# KiCad board keyboar!.kicad_pcb
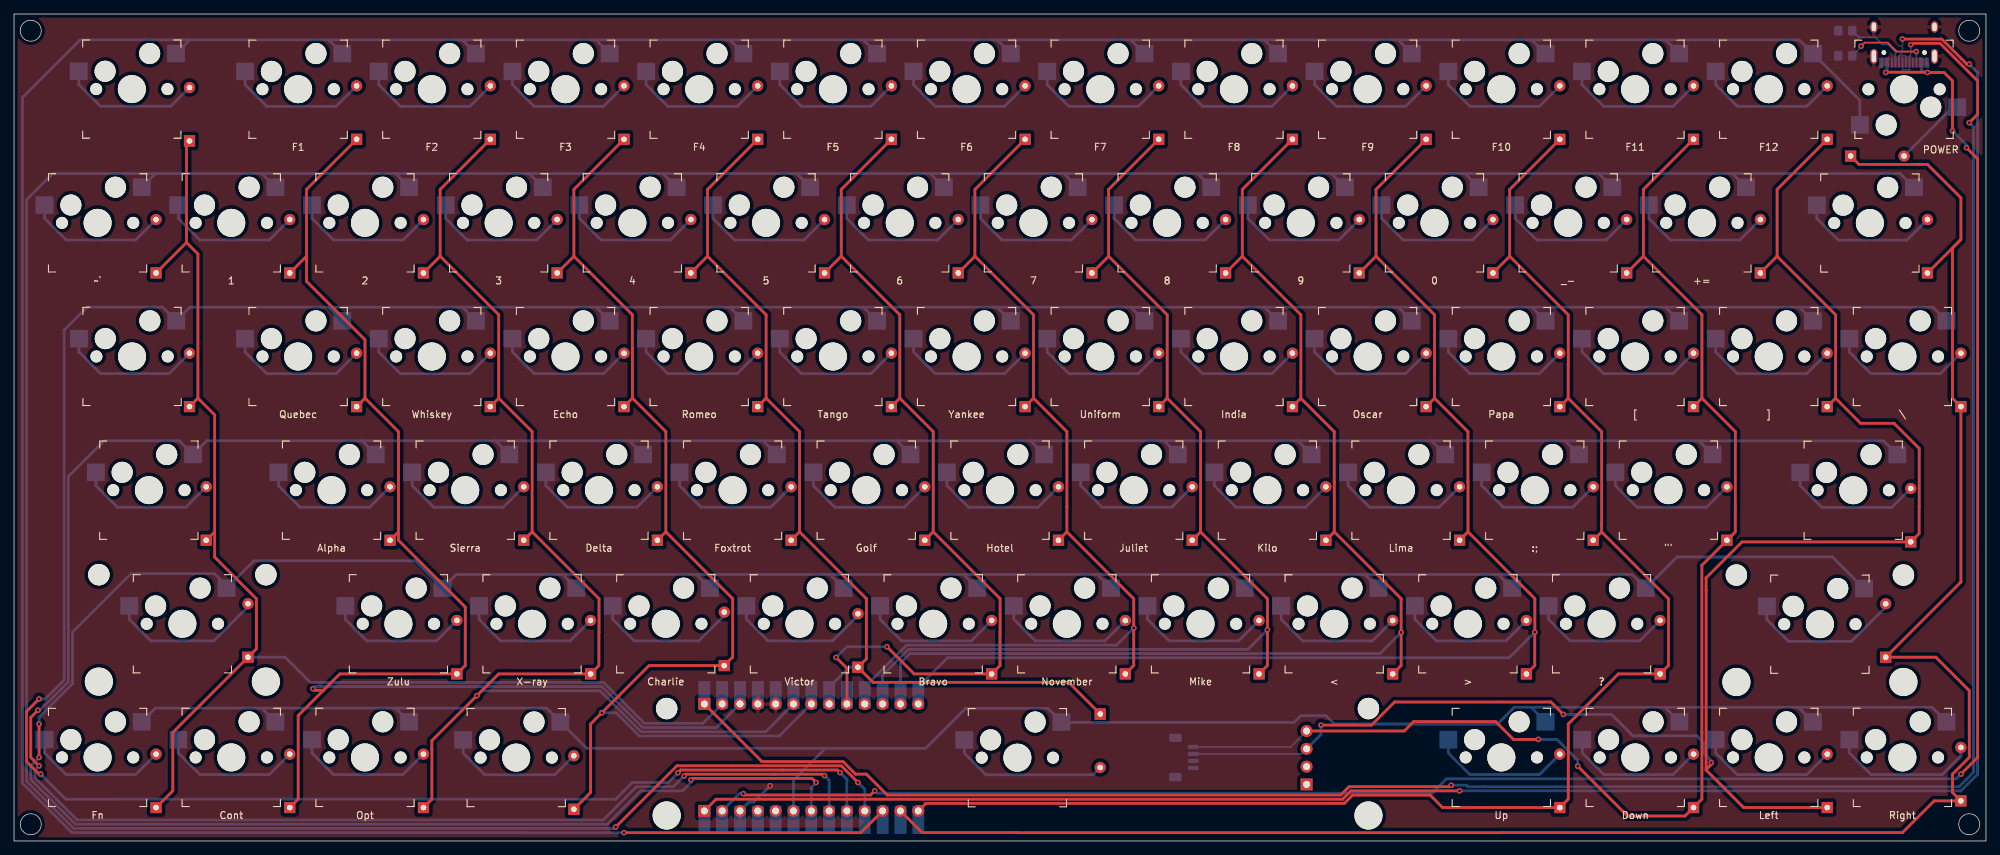
[diagram p0: board, top side]
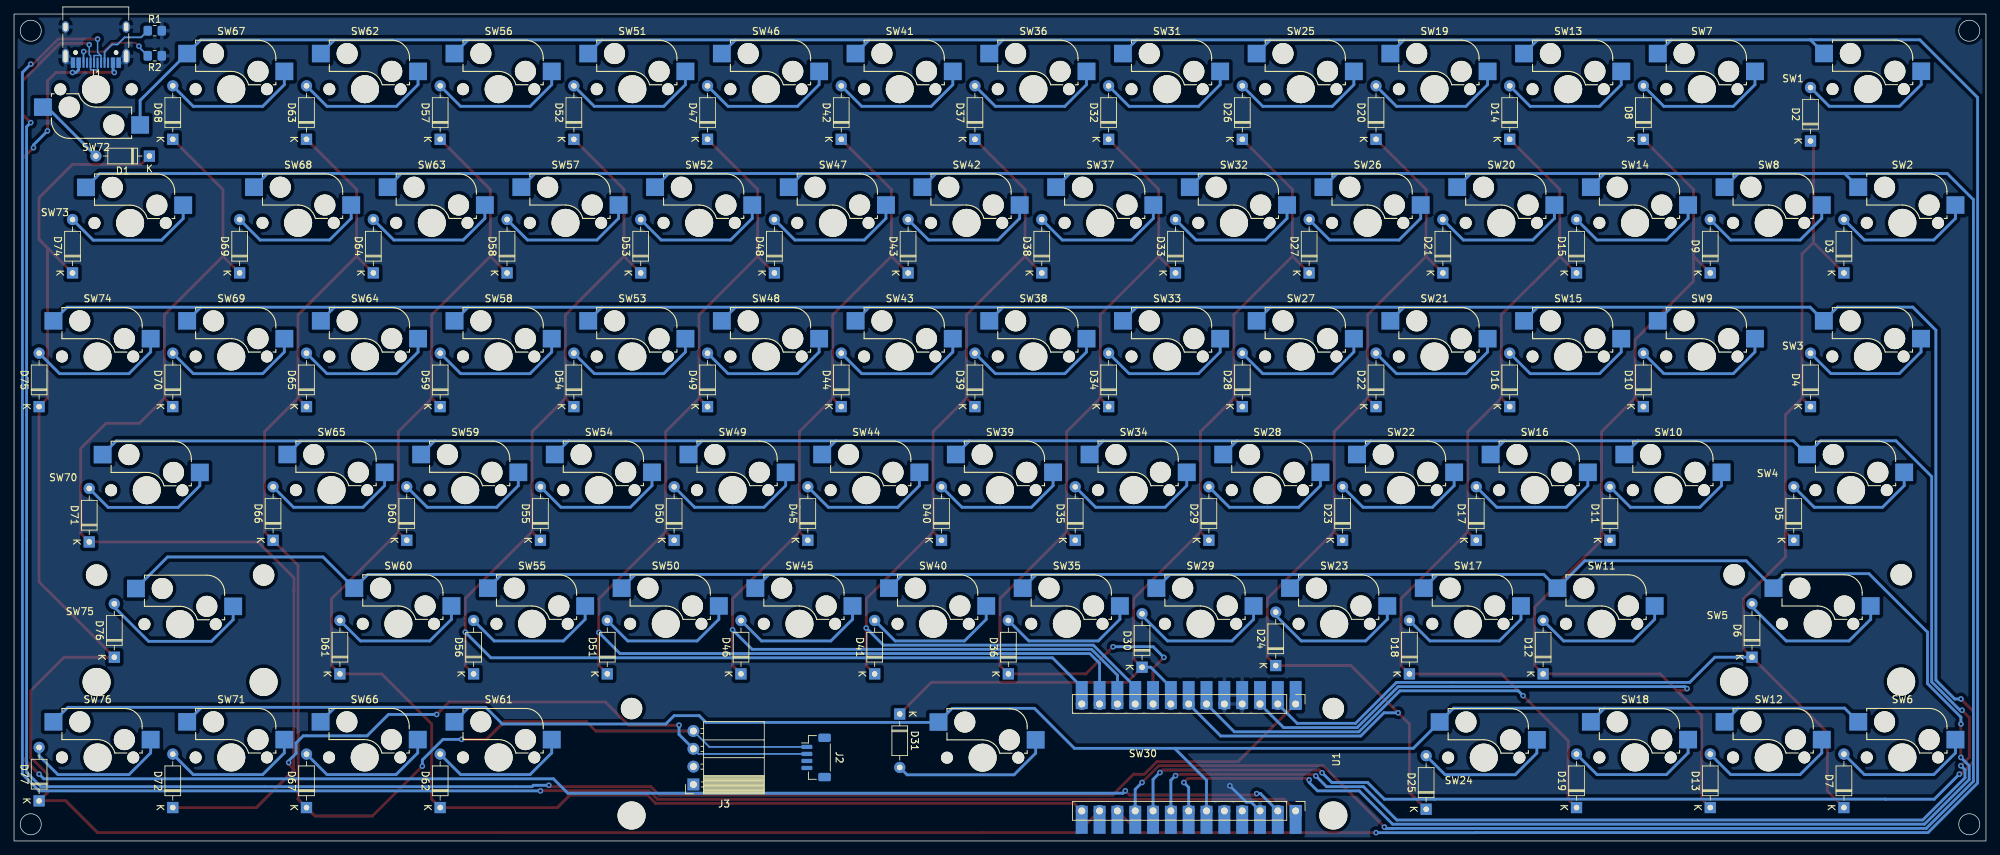
[diagram p1: board, bottom side, seen from below]

Outline 280.99 x 117.87 mm; copper layers: Top, Bottom. Coordinates in mm from the lower left corner of the outline.
Outline path: rectangle 0,117.87 280.99,0 ; circle c2.38,115.49 r1.5 ; circle c2.38,2.38 r1.5 ; circle c278.61,115.49 r1.5 ; circle c278.61,2.38 r1.5
Stack: Top 0.035mm / dielectric 1.51mm FR4 er 4.5 / Bottom 0.035mm

## Placement (name value [footprint] x y rotation side)
D1  1N4148  [D_DO-35_SOD27_P7.62mm_Horizontal]  261.7 97.63 0 bottom
D2  1N4148  [D_DO-35_SOD27_P7.62mm_Horizontal]  25 99.77 90 bottom
D3  1N4148  [D_DO-35_SOD27_P7.62mm_Horizontal]  20.24 80.96 90 bottom
D4  1N4148  [D_DO-35_SOD27_P7.62mm_Horizontal]  25 61.91 90 bottom
D5  1N4148  [D_DO-35_SOD27_P7.62mm_Horizontal]  27.38 42.86 90 bottom
D6  1N4148  [D_DO-35_SOD27_P7.62mm_Horizontal]  33.34 26.19 90 bottom
D7  1N4148  [D_DO-35_SOD27_P7.62mm_Horizontal]  20.24 4.76 90 bottom
D8  1N4148  [D_DO-35_SOD27_P7.62mm_Horizontal]  48.82 100.01 90 bottom
D9  1N4148  [D_DO-35_SOD27_P7.62mm_Horizontal]  39.29 80.96 90 bottom
D10  1N4148  [D_DO-35_SOD27_P7.62mm_Horizontal]  48.82 61.91 90 bottom
D11  1N4148  [D_DO-35_SOD27_P7.62mm_Horizontal]  53.58 42.86 90 bottom
D12  1N4148  [D_DO-35_SOD27_P7.62mm_Horizontal]  63.1 23.81 90 bottom
D13  1N4148  [D_DO-35_SOD27_P7.62mm_Horizontal]  39.29 4.76 90 bottom
D14  1N4148  [D_DO-35_SOD27_P7.62mm_Horizontal]  67.87 100.01 90 bottom
D15  1N4148  [D_DO-35_SOD27_P7.62mm_Horizontal]  58.34 80.96 90 bottom
D16  1N4148  [D_DO-35_SOD27_P7.62mm_Horizontal]  67.87 61.91 90 bottom
D17  1N4148  [D_DO-35_SOD27_P7.62mm_Horizontal]  72.63 42.86 90 bottom
D18  1N4148  [D_DO-35_SOD27_P7.62mm_Horizontal]  82.15 23.81 90 bottom
D19  1N4148  [D_DO-35_SOD27_P7.62mm_Horizontal]  58.34 4.76 90 bottom
D20  1N4148  [D_DO-35_SOD27_P7.62mm_Horizontal]  86.92 100.01 90 bottom
D21  1N4148  [D_DO-35_SOD27_P7.62mm_Horizontal]  77.39 80.96 90 bottom
D22  1N4148  [D_DO-35_SOD27_P7.62mm_Horizontal]  86.92 61.91 90 bottom
D23  1N4148  [D_DO-35_SOD27_P7.62mm_Horizontal]  91.68 42.86 90 bottom
D24  1N4148  [D_DO-35_SOD27_P7.62mm_Horizontal]  101.2 25 90 bottom
D25  1N4148  [D_DO-35_SOD27_P7.62mm_Horizontal]  79.77 4.52 90 bottom
D26  1N4148  [D_DO-35_SOD27_P7.62mm_Horizontal]  105.97 100.01 90 bottom
D27  1N4148  [D_DO-35_SOD27_P7.62mm_Horizontal]  96.44 80.96 90 bottom
D28  1N4148  [D_DO-35_SOD27_P7.62mm_Horizontal]  105.97 61.91 90 bottom
D29  1N4148  [D_DO-35_SOD27_P7.62mm_Horizontal]  110.73 42.86 90 bottom
D30  1N4148  [D_DO-35_SOD27_P7.62mm_Horizontal]  120.25 24.76 90 bottom
D31  1N4148  [D_DO-35_SOD27_P7.62mm_Horizontal]  154.78 18.1 270 bottom
D32  1N4148  [D_DO-35_SOD27_P7.62mm_Horizontal]  125.02 100.01 90 bottom
D33  1N4148  [D_DO-35_SOD27_P7.62mm_Horizontal]  115.49 80.96 90 bottom
D34  1N4148  [D_DO-35_SOD27_P7.62mm_Horizontal]  125.02 61.91 90 bottom
D35  1N4148  [D_DO-35_SOD27_P7.62mm_Horizontal]  129.78 42.86 90 bottom
D36  1N4148  [D_DO-35_SOD27_P7.62mm_Horizontal]  139.3 23.81 90 bottom
D37  1N4148  [D_DO-35_SOD27_P7.62mm_Horizontal]  144.07 100.01 90 bottom
D38  1N4148  [D_DO-35_SOD27_P7.62mm_Horizontal]  134.54 80.96 90 bottom
D39  1N4148  [D_DO-35_SOD27_P7.62mm_Horizontal]  144.07 61.91 90 bottom
D40  1N4148  [D_DO-35_SOD27_P7.62mm_Horizontal]  148.83 42.86 90 bottom
D41  1N4148  [D_DO-35_SOD27_P7.62mm_Horizontal]  158.35 23.81 90 bottom
D42  1N4148  [D_DO-35_SOD27_P7.62mm_Horizontal]  163.12 100.01 90 bottom
D43  1N4148  [D_DO-35_SOD27_P7.62mm_Horizontal]  153.59 80.96 90 bottom
D44  1N4148  [D_DO-35_SOD27_P7.62mm_Horizontal]  163.12 61.91 90 bottom
D45  1N4148  [D_DO-35_SOD27_P7.62mm_Horizontal]  167.88 42.86 90 bottom
D46  1N4148  [D_DO-35_SOD27_P7.62mm_Horizontal]  177.4 23.81 90 bottom
D47  1N4148  [D_DO-35_SOD27_P7.62mm_Horizontal]  182.17 100.01 90 bottom
D48  1N4148  [D_DO-35_SOD27_P7.62mm_Horizontal]  172.64 80.96 90 bottom
D49  1N4148  [D_DO-35_SOD27_P7.62mm_Horizontal]  182.17 61.91 90 bottom
D50  1N4148  [D_DO-35_SOD27_P7.62mm_Horizontal]  186.93 42.86 90 bottom
D51  1N4148  [D_DO-35_SOD27_P7.62mm_Horizontal]  196.45 23.81 90 bottom
D52  1N4148  [D_DO-35_SOD27_P7.62mm_Horizontal]  201.22 100.01 90 bottom
D53  1N4148  [D_DO-35_SOD27_P7.62mm_Horizontal]  191.69 80.96 90 bottom
D54  1N4148  [D_DO-35_SOD27_P7.62mm_Horizontal]  201.22 61.91 90 bottom
D55  1N4148  [D_DO-35_SOD27_P7.62mm_Horizontal]  205.98 42.86 90 bottom
D56  1N4148  [D_DO-35_SOD27_P7.62mm_Horizontal]  215.5 23.81 90 bottom
D57  1N4148  [D_DO-35_SOD27_P7.62mm_Horizontal]  220.27 100.01 90 bottom
D58  1N4148  [D_DO-35_SOD27_P7.62mm_Horizontal]  210.74 80.96 90 bottom
D59  1N4148  [D_DO-35_SOD27_P7.62mm_Horizontal]  220.27 61.91 90 bottom
D60  1N4148  [D_DO-35_SOD27_P7.62mm_Horizontal]  225.03 42.86 90 bottom
D61  1N4148  [D_DO-35_SOD27_P7.62mm_Horizontal]  234.55 23.81 90 bottom
D62  1N4148  [D_DO-35_SOD27_P7.62mm_Horizontal]  220.27 4.76 90 bottom
D63  1N4148  [D_DO-35_SOD27_P7.62mm_Horizontal]  239.32 100.01 90 bottom
D64  1N4148  [D_DO-35_SOD27_P7.62mm_Horizontal]  229.79 80.96 90 bottom
D65  1N4148  [D_DO-35_SOD27_P7.62mm_Horizontal]  239.32 61.91 90 bottom
D66  1N4148  [D_DO-35_SOD27_P7.62mm_Horizontal]  244.08 42.86 90 bottom
D67  1N4148  [D_DO-35_SOD27_P7.62mm_Horizontal]  239.32 4.76 90 bottom
D68  1N4148  [D_DO-35_SOD27_P7.62mm_Horizontal]  258.37 100.01 90 bottom
D69  1N4148  [D_DO-35_SOD27_P7.62mm_Horizontal]  248.84 80.96 90 bottom
D70  1N4148  [D_DO-35_SOD27_P7.62mm_Horizontal]  258.37 61.91 90 bottom
D71  1N4148  [D_DO-35_SOD27_P7.62mm_Horizontal]  270.27 42.62 90 bottom
D72  1N4148  [D_DO-35_SOD27_P7.62mm_Horizontal]  258.37 4.76 90 bottom
D74  1N4148  [D_DO-35_SOD27_P7.62mm_Horizontal]  272.65 80.96 90 bottom
D75  1N4148  [D_DO-35_SOD27_P7.62mm_Horizontal]  277.42 61.91 90 bottom
D76  1N4148  [D_DO-35_SOD27_P7.62mm_Horizontal]  266.7 26.19 90 bottom
D77  1N4148  [D_DO-35_SOD27_P7.62mm_Horizontal]  277.42 5.71 90 bottom
J1  USB_C_Receptacle_USB2.0  [USB_C_Receptacle_HRO_TYPE-C-31-M-12]  269.34 114.98 0 bottom
J2  JST SH  [JST_SH_BM04B-SRSS-TB_1x04-1MP_P1.00mm_Vertical]  166.69 11.91 270 bottom
J3  2.54mm  [PinSocket_1x04_P2.54mm_Horizontal]  184.18 8.06 0 bottom
R1  5.1K  [R_0805_2012Metric_Pad1.20x1.40mm_HandSolder]  260.94 115.49 180 bottom
R2  5.1K  [R_0805_2012Metric_Pad1.20x1.40mm_HandSolder]  260.94 111.92 0 bottom
SW1  ESC  [socket_1.5]  16.79 107.17 0 top
SW2  ~`  [Kailh_socket_MX]  11.91 88.11 0 top
SW3  TAB  [socket_1.5]  16.82 69.06 0 top
SW4  CAPS  [socket_1.75]  19.22 50.01 0 top
SW5  Shift  [socket_2.25]  23.99 30.96 0 top
SW6  Fn  [Kailh_socket_MX]  11.91 11.91 0 top
SW7  F1  [Kailh_socket_MX]  40.48 107.16 0 top
SW8  1  [Kailh_socket_MX]  30.96 88.11 0 top
SW9  Quebec  [Kailh_socket_MX]  40.48 69.06 0 top
SW10  Alpha  [Kailh_socket_MX]  45.24 50.01 0 top
SW11  Zulu  [Kailh_socket_MX]  54.77 30.96 0 top
SW12  Cont  [Kailh_socket_MX]  30.96 11.91 0 top
SW13  F2  [Kailh_socket_MX]  59.53 107.16 0 top
SW14  2  [Kailh_socket_MX]  50.01 88.11 0 top
SW15  Whiskey  [Kailh_socket_MX]  59.53 69.06 0 top
SW16  Sierra  [Kailh_socket_MX]  64.29 50.01 0 top
SW17  X-ray  [Kailh_socket_MX]  73.82 30.96 0 top
SW18  Opt  [Kailh_socket_MX]  50.01 11.91 0 top
SW19  F3  [Kailh_socket_MX]  78.58 107.16 0 top
SW20  3  [Kailh_socket_MX]  69.06 88.11 0 top
SW21  Echo  [Kailh_socket_MX]  78.58 69.06 0 top
SW22  Delta  [Kailh_socket_MX]  83.34 50.01 0 top
SW23  Charlie  [Kailh_socket_MX]  92.87 30.96 0 top
SW24  Command  [socket_1.25]  71.56 11.88 0 top
SW25  F4  [Kailh_socket_MX]  97.63 107.16 0 top
SW26  4  [Kailh_socket_MX]  88.11 88.11 0 top
SW27  Romeo  [Kailh_socket_MX]  97.63 69.06 0 top
SW28  Foxtrot  [Kailh_socket_MX]  102.39 50.01 0 top
SW29  Victor  [Kailh_socket_MX]  111.92 30.96 0 top
SW30  Space  [socket_space]  143 11.87 0 top
SW31  F5  [Kailh_socket_MX]  116.68 107.16 0 top
SW32  5  [Kailh_socket_MX]  107.16 88.11 0 top
SW33  Tango  [Kailh_socket_MX]  116.68 69.06 0 top
SW34  Golf  [Kailh_socket_MX]  121.44 50.01 0 top
SW35  Bravo  [Kailh_socket_MX]  130.97 30.96 0 top
SW36  F6  [Kailh_socket_MX]  135.73 107.16 0 top
SW37  6  [Kailh_socket_MX]  126.21 88.11 0 top
SW38  Yankee  [Kailh_socket_MX]  135.73 69.06 0 top
SW39  Hotel  [Kailh_socket_MX]  140.49 50.01 0 top
SW40  November  [Kailh_socket_MX]  150.02 30.96 0 top
SW41  F7  [Kailh_socket_MX]  154.78 107.16 0 top
SW42  7  [Kailh_socket_MX]  145.26 88.11 0 top
SW43  Uniform  [Kailh_socket_MX]  154.78 69.06 0 top
SW44  Juliet  [Kailh_socket_MX]  159.54 50.01 0 top
SW45  Mike  [Kailh_socket_MX]  169.07 30.96 0 top
SW46  F8  [Kailh_socket_MX]  173.83 107.16 0 top
SW47  8  [Kailh_socket_MX]  164.31 88.11 0 top
SW48  India  [Kailh_socket_MX]  173.83 69.06 0 top
SW49  Kilo  [Kailh_socket_MX]  178.59 50.01 0 top
SW50  <  [Kailh_socket_MX]  188.12 30.96 0 top
SW51  F9  [Kailh_socket_MX]  192.88 107.16 0 top
SW52  9  [Kailh_socket_MX]  183.36 88.11 0 top
SW53  Oscar  [Kailh_socket_MX]  192.88 69.06 0 top
SW54  Lima  [Kailh_socket_MX]  197.64 50.01 0 top
SW55  >  [Kailh_socket_MX]  207.17 30.96 0 top
SW56  F10  [Kailh_socket_MX]  211.93 107.16 0 top
SW57  0  [Kailh_socket_MX]  202.41 88.11 0 top
SW58  Papa  [Kailh_socket_MX]  211.93 69.06 0 top
SW59  :;  [Kailh_socket_MX]  216.69 50.01 0 top
SW60  ?  [Kailh_socket_MX]  226.22 30.96 0 top
SW61  Up  [Kailh_socket_MX]  211.93 11.91 0 top
SW62  F11  [Kailh_socket_MX]  230.98 107.16 0 top
SW63  _-  [Kailh_socket_MX]  221.46 88.11 0 top
SW64  [  [Kailh_socket_MX]  230.98 69.06 0 top
SW65  "'  [Kailh_socket_MX]  235.74 50.01 0 top
SW66  Down  [Kailh_socket_MX]  231.02 11.91 0 top
SW67  F12  [Kailh_socket_MX]  250.03 107.16 0 top
SW68  +=  [Kailh_socket_MX]  240.51 88.11 0 top
SW69  ]  [Kailh_socket_MX]  250.03 69.06 0 top
SW70  Return  [socket_1.75]  262.08 49.99 0 top
SW71  Left  [Kailh_socket_MX]  250.03 11.91 0 top
SW72  POWER  [Kailh_socket_MX]  269.31 107.14 180 top
SW73  DELETE  [socket_1.5]  264.45 88.08 0 top
SW74  \  [Kailh_socket_MX]  269.08 69.06 0 top
SW75  Shift  [socket_2.25]  257.33 30.9 0 top
SW76  Right  [Kailh_socket_MX]  269.08 11.91 0 top
U1  -  [KB2040]  95.83 11.91 270 bottom

## Footprints (pads in the part's own frame, mm; a bottom-side part is the same pattern mirrored in y, then rotated)
D_DO-35_SOD27_P7.62mm_Horizontal
  rect 1.6x1.6 hole 0.8: 1(0,0)
  oval 1.6x1.6 hole 0.8: 2(7.62,0)
JST_SH_BM04B-SRSS-TB_1x04-1MP_P1.00mm_Vertical
  rrect 0.6x1.55 smd: 1(-1.5,-1.325) 2(-0.5,-1.325) 3(0.5,-1.325) 4(1.5,-1.325)
  rrect 1.2x1.8 smd: MP(-2.8,1.2) MP(2.8,1.2)
Kailh_socket_MX
  round 1.702 hole 1.702 unplated: (-5.08,0) (5.08,0)
  round 3 hole 3 unplated: (-3.81,2.54) (2.54,5.08)
  round 3.988 hole 3.988 unplated: (0,0)
  rect 2.55x2.5 smd far side: 1(6.29,5.08) 2(-7.56,2.54)
KB2040
  rect 4x1.7 smd: 1(-8.89,-2.54) 2(-8.89,-5.08) 3(-8.89,-7.62) 4(-8.89,-10.16) 5(-8.89,-12.7) 6(-8.89,-15.24) 7(-8.89,-17.78) 8(-8.89,-20.32) 9(-8.89,-22.86) 10(-8.89,-25.4) 11(-8.89,-27.94) 12(-8.89,-30.48) 13(-8.89,-33.02) 14(8.89,-33.02) 15(8.89,-30.48) 16(8.89,-27.94) 17(8.89,-25.4) 18(8.89,-22.86) 19(8.89,-20.32) 20(8.89,-17.78) 21(8.89,-15.24) 22(8.89,-12.7) 23(8.89,-10.16) 24(8.89,-7.62) 25(8.89,-5.08) 26(8.89,-2.54)
  rect 1.7x1.7 hole 1: 1(-7.62,-2.54) 26(7.62,-2.54)
  oval 1.7x1.7 hole 1: 2(-7.62,-5.08) 3(-7.62,-7.62) 4(-7.62,-10.16) 5(-7.62,-12.7) 6(-7.62,-15.24) 7(-7.62,-17.78) 8(-7.62,-20.32) 9(-7.62,-22.86) 10(-7.62,-25.4) 11(-7.62,-27.94) 12(-7.62,-30.48) 13(-7.62,-33.02) 14(7.62,-33.02) 15(7.62,-30.48) 16(7.62,-27.94) 17(7.62,-25.4) 18(7.62,-22.86) 19(7.62,-20.32) 20(7.62,-17.78) 21(7.62,-15.24) 22(7.62,-12.7) 23(7.62,-10.16) 24(7.62,-7.62) 25(7.62,-5.08)
PinSocket_1x04_P2.54mm_Horizontal
  rect 1.7x1.7 hole 1: 1(0,0)
  oval 1.7x1.7 hole 1: 2(0,-2.54) 3(0,-5.08) 4(0,-7.62)
R_0805_2012Metric_Pad1.20x1.40mm_HandSolder
  rrect 1.2x1.4 smd: 1(-1,0) 2(1,0)
socket_1.5
  round 1.702 hole 1.702 unplated: (-5.08,0) (5.08,0)
  round 3 hole 3 unplated: (-3.81,2.54) (2.54,5.08)
  round 3.988 hole 3.988 unplated: (0,0)
  rect 2.55x2.5 smd far side: 1(6.29,5.08) 2(-7.56,2.54)
socket_1.25
  round 1.702 hole 1.702 unplated: (-5.08,0) (5.08,0)
  round 3 hole 3 unplated: (-3.81,2.54) (2.54,5.08)
  round 3.988 hole 3.988 unplated: (0,0)
  rect 2.55x2.5 smd far side: 1(6.29,5.08) 2(-7.56,2.54)
socket_1.75
  round 1.702 hole 1.702 unplated: (-5.08,0) (5.08,0)
  round 3 hole 3 unplated: (-3.81,2.54) (2.54,5.08)
  round 3.988 hole 3.988 unplated: (0,0)
  rect 2.55x2.5 smd far side: 1(6.29,5.08) 2(-7.56,2.54)
socket_2.25
  round 3.05 hole 3.05 unplated: (-11.9,7) (11.9,7)
  round 4 hole 4 unplated: (-11.9,-8.24) (11.9,-8.24)
  round 1.702 hole 1.702 unplated: (-5.08,0) (5.08,0)
  round 3 hole 3 unplated: (-3.81,2.54) (2.54,5.08)
  round 3.988 hole 3.988 unplated: (0,0)
  rect 2.55x2.5 smd far side: 1(6.29,5.08) 2(-7.56,2.54)
socket_space
  round 3.05 hole 3.05 unplated: (-50,7) (50,7)
  round 4 hole 4 unplated: (-50,-8.24) (50,-8.24)
  round 1.702 hole 1.702 unplated: (-5.105,0) (5.055,0)
  round 3 hole 3 unplated: (-3.835,2.54) (2.515,5.08)
  round 3.988 hole 3.988 unplated: (-0.025,0)
  rect 2.55x2.5 smd far side: 1(6.265,5.08) 2(-7.585,2.54)
USB_C_Receptacle_HRO_TYPE-C-31-M-12
  round 0.65 hole 0.65 unplated: (-2.89,2.6) (2.89,2.6)
  rect 0.6x1.45 smd: A1(-3.25,4.045) A4(-2.45,4.045) A9(2.45,4.045) A12(3.25,4.045) B1(3.25,4.045) B4(2.45,4.045) B9(-2.45,4.045) B12(-3.25,4.045)
  rect 0.3x1.45 smd: A5(-1.25,4.045) A6(-0.25,4.045) A7(0.25,4.045) A8(1.25,4.045) B5(1.75,4.045) B6(0.75,4.045) B7(-0.75,4.045) B8(-1.75,4.045)
  oval 1x1.6 hole 0.6x1.2: S1(-4.32,-1.05) S1(4.32,-1.05)
  oval 1x2.1 hole 0.6x1.7: S1(-4.32,3.13) S1(4.32,3.13)

## Nets
+3V3: U1.22
/VBUS: J1.A4 J1.A9 J1.B4 J1.B9 U1.25
GND: J1.A1 J1.A12 J1.B1 J1.B12 J1.S1 R1.2 R2.1 U1.4 U1.5 U1.24
/A0: SW3.1 SW9.1 SW15.1 SW21.1 SW27.1 SW33.1 SW38.1 SW43.1 SW48.1 SW53.1 SW58.1 SW64.1 SW69.1 SW74.1 U1.18
/A1: SW4.1 SW10.1 SW16.1 SW22.1 SW28.1 SW34.1 SW39.1 SW44.1 SW49.1 SW54.1 SW59.1 SW65.1 SW70.1 U1.19
/A2: SW5.1 SW11.1 SW17.1 SW23.1 SW29.1 SW35.1 SW40.1 SW45.1 SW50.1 SW55.1 SW60.1 SW75.1 U1.20
/A3: SW6.1 SW12.1 SW18.1 SW24.1 SW30.1 SW61.1 SW66.1 SW71.1 SW76.1 U1.21
/D0: D2.1 D3.1 D4.1 D5.1 D6.1 D7.1 U1.2
/D1: D8.1 D9.1 D10.1 D11.1 D12.1 D13.1 U1.3
/D2: D14.1 D15.1 D16.1 D17.1 D18.1 D19.1 U1.6
/D3: D20.1 D21.1 D22.1 D23.1 D24.1 D25.1 U1.7
/D4: D26.1 D27.1 D28.1 D29.1 D30.1 D31.1 U1.8
/D5: D32.1 D33.1 D34.1 D35.1 D36.1 U1.9
/D6: D37.1 D38.1 D39.1 D40.1 D41.1 U1.10
/D7: D42.1 D43.1 D44.1 D45.1 D46.1 U1.11
/D8: D47.1 D48.1 D49.1 D50.1 D51.1 U1.12
/D9: D52.1 D53.1 D54.1 D55.1 D56.1 U1.13
/D10: D57.1 D58.1 D59.1 D60.1 D61.1 D62.1 U1.14
/D12: D63.1 D64.1 D65.1 D66.1 D67.1 J2.1 J3.4
/D13: D68.1 D69.1 D70.1 D71.1 D72.1 J2.2 J3.3
/D+: J1.A6 J1.B6 U1.1
/D-: J1.A7 J1.B7 U1.26
/MISO: SW1.1 SW7.1 SW13.1 SW19.1 SW25.1 SW31.1 SW36.1 SW41.1 SW46.1 SW51.1 SW56.1 SW62.1 SW67.1 SW72.1 U1.16
/MOSI: D1.1 D74.1 D75.1 D76.1 D77.1 U1.15
/RST: U1.23
/SCK: SW2.1 SW8.1 SW14.1 SW20.1 SW26.1 SW32.1 SW37.1 SW42.1 SW47.1 SW52.1 SW57.1 SW63.1 SW68.1 SW73.1 U1.17
Net-(D1-Pad2): D1.2 SW72.2
Net-(D2-Pad2): D2.2 SW1.2
Net-(D3-Pad2): D3.2 SW2.2
Net-(D4-Pad2): D4.2 SW3.2
Net-(D5-Pad2): D5.2 SW4.2
Net-(D6-Pad2): D6.2 SW5.2
Net-(D7-Pad2): D7.2 SW6.2
Net-(D8-Pad2): D8.2 SW7.2
Net-(D9-Pad2): D9.2 SW8.2
Net-(D10-Pad2): D10.2 SW9.2
Net-(D11-Pad2): D11.2 SW10.2
Net-(D12-Pad2): D12.2 SW11.2
Net-(D13-Pad2): D13.2 SW12.2
Net-(D14-Pad2): D14.2 SW13.2
Net-(D15-Pad2): D15.2 SW14.2
Net-(D16-Pad2): D16.2 SW15.2
Net-(D17-Pad2): D17.2 SW16.2
Net-(D18-Pad2): D18.2 SW17.2
Net-(D19-Pad2): D19.2 SW18.2
Net-(D20-Pad2): D20.2 SW19.2
Net-(D21-Pad2): D21.2 SW20.2
Net-(D22-Pad2): D22.2 SW21.2
Net-(D23-Pad2): D23.2 SW22.2
Net-(D24-Pad2): D24.2 SW23.2
Net-(D25-Pad2): D25.2 SW24.2
Net-(D26-Pad2): D26.2 SW25.2
Net-(D27-Pad2): D27.2 SW26.2
Net-(D28-Pad2): D28.2 SW27.2
Net-(D29-Pad2): D29.2 SW28.2
Net-(D30-Pad2): D30.2 SW29.2
Net-(D31-Pad2): D31.2 SW30.2
Net-(D32-Pad2): D32.2 SW31.2
Net-(D33-Pad2): D33.2 SW32.2
Net-(D34-Pad2): D34.2 SW33.2
Net-(D35-Pad2): D35.2 SW34.2
Net-(D36-Pad2): D36.2 SW35.2
Net-(D37-Pad2): D37.2 SW36.2
Net-(D38-Pad2): D38.2 SW37.2
Net-(D39-Pad2): D39.2 SW38.2
Net-(D40-Pad2): D40.2 SW39.2
Net-(D41-Pad2): D41.2 SW40.2
Net-(D42-Pad2): D42.2 SW41.2
Net-(D43-Pad2): D43.2 SW42.2
Net-(D44-Pad2): D44.2 SW43.2
Net-(D45-Pad2): D45.2 SW44.2
Net-(D46-Pad2): D46.2 SW45.2
Net-(D47-Pad2): D47.2 SW46.2
Net-(D48-Pad2): D48.2 SW47.2
Net-(D49-Pad2): D49.2 SW48.2
Net-(D50-Pad2): D50.2 SW49.2
Net-(D51-Pad2): D51.2 SW50.2
Net-(D52-Pad2): D52.2 SW51.2
Net-(D53-Pad2): D53.2 SW52.2
Net-(D54-Pad2): D54.2 SW53.2
Net-(D55-Pad2): D55.2 SW54.2
Net-(D56-Pad2): D56.2 SW55.2
Net-(D57-Pad2): D57.2 SW56.2
Net-(D58-Pad2): D58.2 SW57.2
Net-(D59-Pad2): D59.2 SW58.2
Net-(D60-Pad2): D60.2 SW59.2
Net-(D61-Pad2): D61.2 SW60.2
Net-(D62-Pad2): D62.2 SW61.2
Net-(D63-Pad2): D63.2 SW62.2
Net-(D64-Pad2): D64.2 SW63.2
Net-(D65-Pad2): D65.2 SW64.2
Net-(D66-Pad2): D66.2 SW65.2
Net-(D67-Pad2): D67.2 SW66.2
Net-(D68-Pad2): D68.2 SW67.2
Net-(D69-Pad2): D69.2 SW68.2
Net-(D70-Pad2): D70.2 SW69.2
Net-(D71-Pad2): D71.2 SW70.2
Net-(D72-Pad2): D72.2 SW71.2
Net-(D74-Pad2): D74.2 SW73.2
Net-(D75-Pad2): D75.2 SW74.2
Net-(D76-Pad2): D76.2 SW75.2
Net-(D77-Pad2): D77.2 SW76.2
Net-(J1-PadA5): J1.A5 R1.1
Net-(J1-PadB5): J1.B5 R2.2

Pads without a net: J1 A8 B8; J2 3 4 MP; J3 1 2

## Via types
v1: diameter 0.8, hole 0.4, Top to Bottom, 45 vias

## Routing (per net, layer and track width the routed paths; a pad name or vN(x,y) marks a point on that pad's centre or on a via; arc(x,y) is an arc through that point)
/VBUS: length 294
  Top w0.4: v1(277.42,9.52) 279.8,11.91 279.8,97.24 v1(278.22,98.82) ; v1(122.63,7.14) 122.04,6.55 104.12,6.55 v1(103.92,6.75) ; v1(276.23,101.2) 276.22,101.21 276.22,108.35 275.02,109.54 v1(272.65,109.54) 272.61,109.58 266.75,109.58 v1(266.7,109.54)
  Bottom w0.4: v1(103.92,6.75) 103.37,6.75 U1.25 ; v1(122.63,7.14) 122.97,6.81 202.07,6.81 204.12,8.86 276.75,8.86 v1(277.42,9.52) ; v1(276.23,101.2) 278.22,99.21 v1(278.22,98.82) ; v1(272.65,109.54) 272.16,109.54 271.79,109.91 J1.A9 ; v1(266.7,109.54) 266.89,109.72 J1.A4
GND: length 5.8
  Bottom w0.4: v1(107.74,7.87) 105.41,5.54 104.7,5.54 U1.24
/A0: length 495.2
  Top w0.4: v1(94.6,9.73) 94.99,10.12 117.34,10.12 v1(117.71,9.75) ; v1(3.57,20.24) 1.78,18.45 1.78,11.32 3.57,9.52 v1(3.79,9.52)
  Bottom w0.4: v1(3.57,20.24) 4.45,20.24 7.13,22.93 7.13,72.81 10.42,76.09 21.16,76.09 SW3.1 25.05,76.09 44.82,76.09 ; 159.12,76.09 SW43.1 ; 159.12,76.09 140.07,76.09 ; 159.12,76.09 178.17,76.09 ; 197.22,76.09 216.27,76.09 ; 197.22,76.09 SW53.1 ; 197.22,76.09 178.17,76.09 ; 216.27,76.09 235.32,76.09 ; 216.27,76.09 SW58.1 ; 44.82,76.09 SW9.1 ; 44.82,76.09 63.87,76.09 ; 121.02,76.09 SW33.1 ; 121.02,76.09 101.97,76.09 ; 121.02,76.09 140.07,76.09 ; 140.07,76.09 SW38.1 ; 101.97,76.09 82.92,76.09 ; 101.97,76.09 SW27.1 ; SW74.1 273.42,76.09 254.37,76.09 ; 63.87,76.09 SW15.1 ; 63.87,76.09 82.92,76.09 ; U1.18 118.69,8.77 v1(117.71,9.75) ; 235.32,76.09 SW64.1 ; 235.32,76.09 254.37,76.09 ; 178.17,76.09 SW48.1 ; v1(3.79,9.52) 7.36,5.95 14.29,5.95 14.3,5.96 78.57,5.96 78.58,5.95 85.72,5.95 88.12,8.34 93.22,8.34 v1(94.6,9.73) ; 254.37,76.09 SW69.1 ; 82.92,76.09 SW21.1
/A1: length 464.5
  Top w0.4: v1(95.49,9.27) 95.73,9.52 115.29,9.52 v1(115.49,9.32) ; v1(3.57,10.72) 2.38,11.91 2.38,17.61 v1(3.41,18.63)
  Bottom w0.4: 68.63,57.04 SW16.1 ; 68.63,57.04 49.58,57.04 ; 68.63,57.04 87.68,57.04 ; 49.58,57.04 SW10.1 ; 49.58,57.04 27.46,57.04 SW4.1 23.56,57.04 12.82,57.04 7.73,51.95 7.73,22.68 3.69,18.63 v1(3.41,18.63) ; 87.68,57.04 SW22.1 ; 87.68,57.04 106.73,57.04 ; 144.83,57.04 SW39.1 ; 144.83,57.04 125.78,57.04 ; 144.83,57.04 163.88,57.04 ; SW70.1 266.42,57.02 240.38,57.02 240.24,56.88 ; 163.88,57.04 SW44.1 ; 163.88,57.04 182.93,57.04 ; 106.73,57.04 SW28.1 ; 106.73,57.04 125.78,57.04 ; 240.24,56.88 SW65.1 ; 240.24,56.88 240.08,57.04 221.03,57.04 ; v1(115.49,9.32) 116.15,8.66 U1.19 ; 125.78,57.04 SW34.1 ; 221.03,57.04 201.98,57.04 ; 221.03,57.04 SW59.1 ; 182.93,57.04 201.98,57.04 ; 182.93,57.04 SW49.1 ; 201.98,57.04 SW54.1 ; v1(3.57,10.72) 2.99,10.13 2.99,9 9,2.99 83.95,2.99 88.71,7.74 93.96,7.74 v1(95.49,9.27)
/A2: length 435.9
  Top w0.4: v1(96.44,8.72) 96.64,8.92 113.72,8.92 v1(114.3,8.33) ; v1(3.57,11.91) v1(3.57,16.67)
  Bottom w0.4: 173.41,37.99 SW45.1 ; 173.41,37.99 154.36,37.99 ; 173.41,37.99 192.46,37.99 ; v1(96.44,8.72) 96.44,8.33 95.25,7.14 89.3,7.14 84.54,2.39 8.75,2.39 2.39,8.75 2.39,10.72 v1(3.57,11.91) ; SW75.1 259.12,40.48 236.95,40.48 SW60.1 230.56,37.99 211.51,37.99 ; 192.46,37.99 SW50.1 ; 192.46,37.99 211.51,37.99 ; SW17.1 78.16,37.99 ; 78.16,37.99 97.21,37.99 ; 78.16,37.99 63.01,37.99 SW11.1 57.16,39.93 34.17,39.93 SW5.1 30.28,36.4 28.58,38.1 16.67,38.1 8.33,29.77 8.33,22.43 3.57,17.67 v1(3.57,16.67) ; 154.36,37.99 SW40.1 ; 154.36,37.99 135.31,37.99 ; 97.21,37.99 116.26,37.99 ; 97.21,37.99 SW23.1 ; 211.51,37.99 SW55.1 ; 116.26,37.99 SW29.1 ; 116.26,37.99 135.31,37.99 ; 135.31,37.99 SW35.1 ; U1.20 113.61,7.64 v1(114.3,8.33)
/A3: length 291.4
  Bottom w0.4: 54.35,18.94 SW18.1 ; 54.35,18.94 35.3,18.94 ; 54.35,18.94 75.87,18.94 SW24.1 81.6,13.21 115.62,13.21 ; 115.62,13.21 129.89,13.21 135.58,18.9 147.31,18.9 SW30.1 149.32,16.9 182.39,16.9 183.36,17.86 186.93,17.86 188.12,16.67 211.4,16.67 213.78,19.05 216.16,19.05 ; 115.62,13.21 111.07,8.66 U1.21 ; 35.3,18.94 20.15,18.94 SW6.1 ; 35.3,18.94 SW12.1 ; 235.25,19.05 SW66.1 ; 235.25,19.05 254.26,19.05 ; 235.25,19.05 216.16,19.05 ; 254.26,19.05 SW71.1 ; 254.26,19.05 273.31,19.05 SW76.1 ; 216.16,19.05 SW61.1
/D0: length 187.4
  Top w0.4: 26.2,63.11 28.58,60.73 28.58,44.06 ; 26.2,63.11 26.2,83.67 24.58,85.3 ; 26.2,63.11 D4.1 ; 28.58,44.06 28.58,40.47 34.54,34.52 34.54,27.39 D6.1 22.62,15.48 22.62,7.14 D7.1 ; 28.58,44.06 D5.1 ; D2.1 24.58,99.35 24.58,85.3 ; 24.58,85.3 D3.1
  Bottom w0.4: U1.2 98.14,16.76 89.84,16.76 83.99,22.61 42.21,22.61 38.62,26.19 D6.1
/D1: length 200.9
  Top w0.4: D8.1 41.67,92.87 41.67,83.34 ; v1(42.59,21.72) 42.83,21.48 44.1,21.48 ; 41.67,83.34 D9.1 ; 41.67,83.34 41.67,79.77 50.02,71.43 50.02,63.11 ; 54.78,44.06 54.78,58.35 50.02,63.11 ; 54.78,44.06 54.78,42.85 64.3,33.33 64.3,29.77 64.29,29.77 64.29,25 D12.1 46.43,23.81 44.1,21.48 ; 54.78,44.06 D11.1 ; 44.1,21.48 40.49,17.87 40.49,5.96 D13.1 ; 50.02,63.11 D10.1
  Bottom w0.4: U1.3 100.08,16.16 89.59,16.16 83.75,22.01 42.88,22.01 v1(42.59,21.72)
/D2: length 181.8
  Top w0.4: 73.83,44.06 D17.1 ; 73.83,44.06 73.83,58.35 69.07,63.11 ; 73.83,44.06 83.35,34.54 83.35,29.77 83.34,29.77 83.34,25 D18.1 69.06,23.81 v1(65.95,20.71) 59.53,14.29 59.53,13.1 59.54,13.09 59.54,5.96 D19.1 ; 60.72,83.34 60.72,92.87 D14.1 ; 60.72,83.34 69.07,75 69.07,63.11 ; 60.72,83.34 D15.1 ; 69.07,63.11 D16.1
  Bottom w0.4: U1.6 107.1,15.56 89.34,15.56 83.5,21.41 66.65,21.41 v1(65.95,20.71)
/D3: length 163.3
  Top w0.4: 88.12,63.11 92.88,58.35 92.88,44.06 ; 88.12,63.11 D22.1 ; 88.12,63.11 88.12,70.24 88.11,70.25 88.11,75.01 79.77,83.34 ; 92.88,44.06 D23.1 ; 92.88,44.06 102.4,34.54 102.4,26.2 D24.1 90.49,25 v1(83.76,18.27) 82.15,16.67 82.15,6.91 D25.1 ; 79.77,83.34 D21.1 ; 79.77,83.34 79.77,92.87 D20.1
  Bottom w0.4: U1.7 109.04,14.96 89.09,14.96 85.78,18.27 v1(83.76,18.27)
/D4: length 139.8
  Top w0.4: 111.93,44.06 D29.1 ; 111.93,44.06 121.45,34.54 121.45,25.96 D30.1 122.41,22.61 150.27,22.61 D31.1 ; 111.93,44.06 111.93,58.35 107.17,63.11 ; 98.82,83.34 107.17,75 107.17,63.11 ; 98.82,83.34 98.82,92.87 D26.1 ; 98.82,83.34 D27.1 ; 107.17,63.11 D28.1
  Bottom w0.4: D30.1 119.01,24.76 116.15,21.91 U1.8
/D5: length 127.5
  Top w0.4: v1(124.38,27.69) 128.25,23.81 D36.1 140.49,25 140.49,29.77 140.5,29.77 140.5,34.54 130.98,44.06 ; 130.98,44.06 130.98,58.35 126.22,63.11 ; 130.98,44.06 D35.1 ; 126.22,63.11 D34.1 ; 126.22,63.11 126.22,75 117.87,83.34 ; 117.87,83.34 117.87,92.87 D32.1 ; 117.87,83.34 D33.1 ; U1.9 118.69,24.62 v1(117.14,26.16)
  Bottom w0.4: v1(117.14,26.16) 118.67,27.69 v1(124.38,27.69)
/D6: length 138.7
  Top w0.4: 136.92,83.34 145.27,75 145.27,63.11 ; 136.92,83.34 136.92,92.87 D37.1 ; 136.92,83.34 D38.1 ; 150.02,44.05 D40.1 ; 150.02,44.05 150.02,47.62 150.03,47.63 150.03,58.35 145.27,63.11 ; 150.02,44.05 159.55,34.52 v1(159.55,30.36) 159.55,25.01 D41.1 ; 145.27,63.11 D39.1
  Bottom w0.4: v1(159.55,30.36) 157.11,27.91 127.19,27.91 121.23,21.95 U1.10
/D7: length 156.2
  Top w0.4: 164.32,63.11 164.32,75 155.97,83.34 ; 164.32,63.11 D44.1 ; 164.32,63.11 169.08,58.35 169.08,47.63 169.07,47.62 169.07,44.05 ; 169.07,44.05 178.6,34.52 v1(178.6,30.11) 178.6,28.58 178.59,28.57 178.59,25 D46.1 ; 169.07,44.05 D45.1 ; D42.1 155.97,92.87 155.97,83.34 ; 155.97,83.34 D43.1
  Bottom w0.4: v1(178.6,30.11) 175.81,27.31 127.44,27.31 123.75,23.62 123.75,21.97 123.77,21.95 U1.11
/D8: length 173.5
  Top w0.4: 183.36,63.1 183.36,65.48 183.37,65.49 183.37,75 175.02,83.34 ; 183.36,63.1 188.12,58.34 188.12,51.2 188.13,51.19 188.13,44.06 ; 183.36,63.1 D49.1 ; 175.02,83.34 D48.1 ; 175.02,83.34 175.02,92.87 D47.1 ; 188.13,44.06 197.65,34.54 v1(197.65,29.72) 197.65,25.01 D51.1 ; 188.13,44.06 D50.1
  Bottom w0.4: U1.12 126.31,25.33 127.69,26.71 194.64,26.71 v1(197.65,29.72)
/D9: length 188
  Top w0.4: 207.18,44.06 207.18,51.19 207.17,51.2 207.17,58.34 202.41,63.1 ; 207.18,44.06 D55.1 ; 207.18,44.06 216.7,34.54 216.7,29.77 v1(216.69,29.77) 216.69,25 D56.1 ; D52.1 194.07,92.87 194.07,83.34 ; 194.07,83.34 D53.1 ; 194.07,83.34 202.42,75 202.42,66.68 202.41,66.67 202.41,63.1 ; 202.41,63.1 D54.1
  Bottom w0.4: v1(216.69,29.77) 213.04,26.11 133.01,26.11 128.85,21.95 U1.13
/D10: length 217.3
  Top w0.4: 213.12,83.34 221.47,75 221.47,67.87 221.46,67.87 221.46,63.1 ; 213.12,83.34 213.12,92.87 D57.1 ; 213.12,83.34 D58.1 ; U1.14 129.91,5.35 189.56,5.35 190.75,6.54 201.78,6.54 203.57,4.76 D62.1 221.47,5.96 221.47,16.68 228.6,23.81 D61.1 235.75,25.01 235.75,34.52 226.22,44.05 ; 226.22,44.05 D60.1 ; 226.22,44.05 226.22,45.24 226.23,45.25 226.23,58.33 221.46,63.1 ; 221.46,63.1 D59.1
/D12: length 190.6
  Top w0.4: 240.52,63.11 245.28,58.35 245.28,47.63 245.27,47.62 245.27,44.05 D66.1 240.51,39.29 240.51,15.48 240.52,15.47 240.52,5.96 D67.1 238.12,3.56 229.91,3.56 v1(222.81,10.67) ; 240.52,63.11 D65.1 ; 240.52,63.11 240.52,75 232.17,83.34 ; 232.17,83.34 232.17,92.87 D63.1 ; 232.17,83.34 D64.1 ; J3.4 198.1,15.68 199.44,17.02 211.12,17.02 213.66,14.48 v1(217.22,14.48)
  Bottom w0.25: J3.4 181.91,13.41 J2.1
  Bottom w0.4: v1(217.22,14.48) 219.87,14.48 222.81,11.54 v1(222.81,10.67)
/D13: length 238.8
  Top w0.4: 251.22,83.34 D69.1 ; 251.22,83.34 259.57,75 259.57,67.87 259.56,67.87 259.56,63.1 ; 251.22,83.34 251.22,92.87 D68.1 ; 241.12,10.18 241.12,10.11 246.46,4.76 D72.1 ; 241.12,10.18 241.12,35.71 241.11,35.72 241.11,37.51 246.22,42.62 D71.1 271.46,43.81 271.46,47.62 271.47,47.63 271.47,55.95 267.89,59.53 263.13,59.53 259.56,63.1 ; 241.12,10.18 241.86,10.92 v1(241.86,11.18) ; 259.56,63.1 D70.1 ; v1(186.23,16.51) 193.43,16.51 196.73,19.81 219,19.81 v1(220.77,18.03)
  Bottom w0.25: J3.3 183.45,12.41 J2.2
  Bottom w0.4: J3.3 186.23,15.18 v1(186.23,16.51) ; v1(241.86,11.18) 241.86,11.43 240.8,12.49 240.8,13.97 239.78,14.99 230.68,14.99 227.63,18.03 v1(220.77,18.03)
/D+: length 304.5
  Top w0.4: U1.1 106.58,11.32 118.12,11.32 119.91,9.52 121.44,9.52 124.42,6.55 189.06,6.55 190.25,7.74 204.59,7.74 v1(204.79,7.94) ; v1(278.61,102.39) 279.8,103.58 279.8,108.35 274.44,113.7 270.47,113.7 v1(270.27,113.5)
  Bottom w0.2: v1(270.27,113.5) 270.27,112.1 270.09,111.91 J1.B6 270.09,109.96 270.04,109.91 269.14,109.91 269.09,109.96 J1.A6
  Bottom w0.4: v1(204.79,7.94) 206.97,7.94 207.17,7.74 277.17,7.74 279.2,9.77 279.2,101.8 v1(278.61,102.39)
/D-: length 301.8
  Top w0.4: U1.26 100.03,5.95 189.31,5.95 190.5,7.14 v1(205.98,7.14) ; v1(278.61,110.73) 278.26,110.73 274.69,114.3 v1(269.08,114.3)
  Bottom w0.2: v1(269.08,114.3) 269.08,112.41 268.64,111.96 ; 268.64,111.96 269.54,111.96 269.59,111.91 J1.A7 ; 268.64,111.96 268.59,111.91 J1.B7
  Bottom w0.4: v1(278.61,110.73) 279.8,109.54 279.8,9.52 277.42,7.14 v1(205.98,7.14)
/MISO: length 529.9
  Top w0.4: v1(86.92,1.19) 86.92,1.18 120.66,1.18 U1.16
  Bottom w0.4: 121.02,114.19 140.07,114.19 ; 121.02,114.19 SW31.1 ; 121.02,114.19 101.97,114.19 ; 140.07,114.19 159.12,114.19 ; 140.07,114.19 SW36.1 ; 197.22,114.19 216.27,114.19 ; 197.22,114.19 SW51.1 ; 197.22,114.19 178.17,114.19 ; 216.27,114.19 235.32,114.19 ; 216.27,114.19 SW56.1 ; 178.17,114.19 SW46.1 ; 178.17,114.19 159.12,114.19 ; 235.32,114.19 SW62.1 ; 235.32,114.19 254.37,114.19 SW67.1 256.35,112.24 263.02,105.56 SW72.1 ; 44.82,114.19 63.87,114.19 ; 44.82,114.19 SW7.1 ; 44.82,114.19 25.01,114.19 ; 63.87,114.19 82.92,114.19 ; 63.87,114.19 SW13.1 ; 82.92,114.19 101.97,114.19 ; 82.92,114.19 SW19.1 ; 101.97,114.19 SW25.1 ; 159.12,114.19 SW41.1 ; v1(86.92,1.19) 86.91,1.18 72.64,1.18 72.63,1.19 8.25,1.19 1.19,8.25 1.19,105.97 9.43,114.2 24.99,114.2 25.01,114.19 ; SW1.1 25.01,114.19
/MOSI: length 281.2
  Top w0.4: 277.42,85.72 277.42,91.68 272.65,96.44 271.46,96.44 271.45,96.43 262.9,96.43 D1.1 ; 277.42,85.72 276.22,84.52 276.22,63.11 D75.1 277.42,36.91 D76.1 273.84,26.19 278.61,21.43 278.61,15.48 278.62,15.47 278.62,11.92 276.23,9.52 276.23,6.91 D77.1 273.61,5.71 269.08,1.19 211.93,1.19 211.92,1.18 142.88,1.18 142.88,1.19 129.4,1.19 U1.15 ; 277.42,85.72 D74.1
/SCK: length 520.5
  Top w0.4: v1(85.72,1.98) 94.46,10.72 117.87,10.72 v1(120.25,8.33)
  Bottom w0.4: 111.5,95.14 SW32.1 ; 111.5,95.14 130.55,95.14 ; 111.5,95.14 92.45,95.14 ; 54.35,95.14 73.4,95.14 ; 54.35,95.14 SW14.1 ; 54.35,95.14 35.3,95.14 ; 73.4,95.14 SW20.1 ; 73.4,95.14 92.45,95.14 ; 20.15,95.14 35.3,95.14 ; 20.15,95.14 5.51,95.14 1.79,91.42 1.79,8.5 8.5,1.79 84.53,1.79 84.53,1.78 85.53,1.78 v1(85.72,1.98) ; 20.15,95.14 SW2.1 ; 35.3,95.14 SW8.1 ; 244.85,95.14 SW68.1 ; 244.85,95.14 268.76,95.14 SW73.1 ; 244.85,95.14 225.8,95.14 ; 130.55,95.14 SW37.1 ; 130.55,95.14 149.6,95.14 ; 225.8,95.14 SW63.1 ; 225.8,95.14 206.75,95.14 ; 149.6,95.14 168.65,95.14 ; 149.6,95.14 SW42.1 ; 168.65,95.14 SW47.1 ; 168.65,95.14 187.7,95.14 ; U1.17 121.23,7.36 v1(120.25,8.33) ; 206.75,95.14 SW57.1 ; 206.75,95.14 187.7,95.14 ; 187.7,95.14 SW52.1 ; 92.45,95.14 SW26.1
Net-(D1-Pad2): length 10.4
  Bottom w0.4: SW72.2 276.29,104.6 D1.2
Net-(D2-Pad2): length 20.1
  Bottom w0.4: D2.2 22.34,104.73 12.31,104.73 9.23,107.81 SW1.2
Net-(D3-Pad2): length 20.3
  Bottom w0.4: SW2.2 4.35,88.75 7.43,85.66 17.32,85.66 D3.2
Net-(D4-Pad2): length 20.1
  Bottom w0.4: SW3.2 9.26,69.7 12.34,66.62 22.09,66.62 D4.2
Net-(D5-Pad2): length 20.1
  Bottom w0.4: SW4.2 11.66,50.65 14.74,47.56 24.46,47.56 D5.2
Net-(D6-Pad2): length 22.5
  Bottom w0.4: D6.2 33.34,33.39 28.46,28.51 19.51,28.51 16.43,31.6 SW5.2
Net-(D7-Pad2): length 20.3
  Bottom w0.4: D7.2 17.32,9.46 7.43,9.46 4.35,12.55 SW6.2
Net-(D8-Pad2): length 20.3
  Bottom w0.4: SW7.2 32.92,107.8 36.01,104.71 45.9,104.71 D8.2
Net-(D9-Pad2): length 20.3
  Bottom w0.4: D9.2 36.37,85.66 26.48,85.66 23.4,88.75 SW8.2
Net-(D10-Pad2): length 20.3
  Bottom w0.4: SW9.2 32.92,69.7 36.01,66.61 45.9,66.61 D10.2
Net-(D11-Pad2): length 20.3
  Bottom w0.4: D11.2 50.66,47.56 40.77,47.56 37.68,50.65 SW10.2
Net-(D12-Pad2): length 20.3
  Bottom w0.4: SW11.2 47.21,31.6 50.29,28.51 60.18,28.51 D12.2
Net-(D13-Pad2): length 20.3
  Bottom w0.4: D13.2 36.37,9.46 26.48,9.46 23.4,12.55 SW12.2
Net-(D14-Pad2): length 20.3
  Bottom w0.4: SW13.2 51.97,107.8 55.06,104.71 64.95,104.71 D14.2
Net-(D15-Pad2): length 20.3
  Bottom w0.4: D15.2 55.42,85.66 45.53,85.66 42.45,88.75 SW14.2
Net-(D16-Pad2): length 20.3
  Bottom w0.4: D16.2 64.95,66.61 55.06,66.61 51.97,69.7 SW15.2
Net-(D17-Pad2): length 20.3
  Bottom w0.4: SW16.2 56.73,50.65 59.82,47.56 69.71,47.56 D17.2
Net-(D18-Pad2): length 20.3
  Bottom w0.4: D18.2 79.23,28.51 69.34,28.51 66.26,31.6 SW17.2
Net-(D19-Pad2): length 20.3
  Bottom w0.4: D19.2 55.42,9.46 45.53,9.46 42.45,12.55 SW18.2
Net-(D20-Pad2): length 20.3
  Bottom w0.4: SW19.2 71.02,107.8 74.11,104.71 84,104.71 D20.2
Net-(D21-Pad2): length 20.3
  Bottom w0.4: D21.2 74.47,85.66 64.58,85.66 61.5,88.75 SW20.2
Net-(D22-Pad2): length 20.3
  Bottom w0.4: D22.2 84,66.61 74.11,66.61 71.02,69.7 SW21.2
Net-(D23-Pad2): length 20.3
  Bottom w0.4: D23.2 88.76,47.56 78.87,47.56 75.78,50.65 SW22.2
Net-(D24-Pad2): length 21.1
  Bottom w0.4: SW23.2 85.31,31.6 88.39,28.51 97.57,28.51 101.2,32.15 D24.2
Net-(D25-Pad2): length 20.1
  Bottom w0.4: D25.2 77.07,9.44 67.08,9.44 64,12.52 SW24.2
Net-(D26-Pad2): length 20.3
  Bottom w0.4: D26.2 103.05,104.71 93.16,104.71 90.07,107.8 SW25.2
Net-(D27-Pad2): length 20.3
  Bottom w0.4: SW26.2 80.55,88.75 83.63,85.66 93.52,85.66 D27.2
Net-(D28-Pad2): length 20.3
  Bottom w0.4: D28.2 103.05,66.61 93.16,66.61 90.07,69.7 SW27.2
Net-(D29-Pad2): length 20.3
  Bottom w0.4: SW28.2 94.83,50.65 97.92,47.56 107.81,47.56 D29.2
Net-(D30-Pad2): length 20.8
  Bottom w0.4: D30.2 120.25,32.15 116.62,28.51 107.44,28.51 104.36,31.6 SW29.2
Net-(D31-Pad2): length 23
  Bottom w0.4: D31.2 153.73,9.43 138.49,9.43 135.41,12.51 SW30.2
Net-(D32-Pad2): length 20.3
  Bottom w0.4: D32.2 122.1,104.71 112.21,104.71 109.12,107.8 SW31.2
Net-(D33-Pad2): length 20.3
  Bottom w0.4: D33.2 112.57,85.66 102.68,85.66 99.6,88.75 SW32.2
Net-(D34-Pad2): length 20.3
  Bottom w0.4: D34.2 122.1,66.61 112.21,66.61 109.12,69.7 SW33.2
Net-(D35-Pad2): length 20.3
  Bottom w0.4: D35.2 126.86,47.56 116.97,47.56 113.88,50.65 SW34.2
Net-(D36-Pad2): length 20.3
  Bottom w0.4: SW35.2 123.41,31.6 126.49,28.51 136.38,28.51 D36.2
Net-(D37-Pad2): length 20.3
  Bottom w0.4: D37.2 141.15,104.71 131.26,104.71 128.17,107.8 SW36.2
Net-(D38-Pad2): length 20.3
  Bottom w0.4: SW37.2 118.65,88.75 121.73,85.66 131.62,85.66 D38.2
Net-(D39-Pad2): length 20.3
  Bottom w0.4: SW38.2 128.17,69.7 131.26,66.61 141.15,66.61 D39.2
Net-(D40-Pad2): length 20.3
  Bottom w0.4: D40.2 145.91,47.56 136.02,47.56 132.93,50.65 SW39.2
Net-(D41-Pad2): length 20.3
  Bottom w0.4: D41.2 155.43,28.51 145.54,28.51 142.46,31.6 SW40.2
Net-(D42-Pad2): length 20.3
  Bottom w0.4: D42.2 160.2,104.71 150.31,104.71 147.22,107.8 SW41.2
Net-(D43-Pad2): length 20.3
  Bottom w0.4: D43.2 150.67,85.66 140.78,85.66 137.7,88.75 SW42.2
Net-(D44-Pad2): length 20.3
  Bottom w0.4: SW43.2 147.22,69.7 150.31,66.61 160.2,66.61 D44.2
Net-(D45-Pad2): length 20.3
  Bottom w0.4: SW44.2 151.98,50.65 155.07,47.56 164.96,47.56 D45.2
Net-(D46-Pad2): length 20.3
  Bottom w0.4: SW45.2 161.51,31.6 164.59,28.51 174.48,28.51 D46.2
Net-(D47-Pad2): length 20.3
  Bottom w0.4: SW46.2 166.27,107.8 169.36,104.71 179.25,104.71 D47.2
Net-(D48-Pad2): length 20.3
  Bottom w0.4: SW47.2 156.75,88.75 159.83,85.66 169.72,85.66 D48.2
Net-(D49-Pad2): length 20.3
  Bottom w0.4: D49.2 179.25,66.61 169.36,66.61 166.27,69.7 SW48.2
Net-(D50-Pad2): length 20.3
  Bottom w0.4: SW49.2 171.03,50.65 174.12,47.56 184.01,47.56 D50.2
Net-(D51-Pad2): length 20.3
  Bottom w0.4: SW50.2 180.56,31.6 183.64,28.51 193.53,28.51 D51.2
Net-(D52-Pad2): length 20.3
  Bottom w0.4: D52.2 198.3,104.71 188.41,104.71 185.32,107.8 SW51.2
Net-(D53-Pad2): length 20.3
  Bottom w0.4: SW52.2 175.8,88.75 178.88,85.66 188.77,85.66 D53.2
Net-(D54-Pad2): length 20.3
  Bottom w0.4: SW53.2 185.32,69.7 188.41,66.61 198.3,66.61 D54.2
Net-(D55-Pad2): length 20.3
  Bottom w0.4: SW54.2 190.08,50.65 193.17,47.56 203.06,47.56 D55.2
Net-(D56-Pad2): length 20.3
  Bottom w0.4: D56.2 212.58,28.51 202.69,28.51 199.61,31.6 SW55.2
Net-(D57-Pad2): length 20.3
  Bottom w0.4: SW56.2 204.37,107.8 207.46,104.71 217.35,104.71 D57.2
Net-(D58-Pad2): length 20.3
  Bottom w0.4: SW57.2 194.85,88.75 197.93,85.66 207.82,85.66 D58.2
Net-(D59-Pad2): length 20.3
  Bottom w0.4: SW58.2 204.37,69.7 207.46,66.61 217.35,66.61 D59.2
Net-(D60-Pad2): length 20.3
  Bottom w0.4: SW59.2 209.13,50.65 212.22,47.56 222.11,47.56 D60.2
Net-(D61-Pad2): length 20.3
  Bottom w0.4: D61.2 231.63,28.51 221.74,28.51 218.66,31.6 SW60.2
Net-(D62-Pad2): length 20.3
  Bottom w0.4: SW61.2 204.37,12.55 207.46,9.46 217.35,9.46 D62.2
Net-(D63-Pad2): length 20.3
  Bottom w0.4: SW62.2 223.42,107.8 226.51,104.71 236.4,104.71 D63.2
Net-(D64-Pad2): length 20.3
  Bottom w0.4: SW63.2 213.9,88.75 216.98,85.66 226.87,85.66 D64.2
Net-(D65-Pad2): length 20.3
  Bottom w0.4: SW64.2 223.42,69.7 226.51,66.61 236.4,66.61 D65.2
Net-(D66-Pad2): length 20.3
  Bottom w0.4: D66.2 241.16,47.56 231.27,47.56 228.18,50.65 SW65.2
Net-(D67-Pad2): length 20.2
  Bottom w0.4: SW66.2 223.46,12.55 226.55,9.46 236.4,9.46 D67.2
Net-(D68-Pad2): length 20.3
  Bottom w0.4: SW67.2 242.47,107.8 245.56,104.71 255.45,104.71 D68.2
Net-(D69-Pad2): length 20.3
  Bottom w0.4: SW68.2 232.95,88.75 236.03,85.66 245.92,85.66 D69.2
Net-(D70-Pad2): length 20.3
  Bottom w0.4: SW69.2 242.47,69.7 245.56,66.61 255.45,66.61 D70.2
Net-(D71-Pad2): length 20.1
  Bottom w0.4: D71.2 267.58,47.55 257.6,47.55 254.52,50.63 SW70.2
Net-(D72-Pad2): length 20.3
  Bottom w0.4: D72.2 255.45,9.46 245.56,9.46 242.47,12.55 SW71.2
Net-(D74-Pad2): length 20.2
  Bottom w0.4: SW73.2 256.89,88.72 259.97,85.64 269.71,85.64 D74.2
Net-(D75-Pad2): length 20.3
  Bottom w0.4: SW74.2 261.52,69.7 264.61,66.61 274.5,66.61 D75.2
Net-(D76-Pad2): length 22.6
  Bottom w0.4: D76.2 266.7,33.34 261.82,28.46 252.85,28.46 249.77,31.54 SW75.2
Net-(D77-Pad2): length 21.4
  Bottom w0.4: D77.2 277.42,12.14 274.73,9.46 264.61,9.46 261.52,12.55 SW76.2
Net-(J1-PadA5): length 8.9
  Bottom w0.25: J1.A5 268.09,112.45 267,113.54 266.24,113.54 265.22,114.55 262.87,114.55 R1.1
Net-(J1-PadB5): length 12.1
  Top w0.25: v1(263.19,113.28) 263.7,113.79 267,113.79 268.27,112.52 v1(271.07,112.52)
  Bottom w0.25: v1(271.07,112.52) 271.09,112.5 J1.B5 ; R2.2 263.19,113.17 v1(263.19,113.28)

## Copper pours and planes (outline as drawn; the poured copper is in the pictures)
GND on Top, Bottom: 284.56,-5.95 -4.76,-5.95 -4.76,122.63 284.56,122.63
